# Altium PCB HDMI_To_MIPI.PcbDoc (part 1 of 2)
Units mm, origin at the board's own origin, x right, y up, seen from the top; angles counter-clockwise.
Board outline 144 x 71 mm, 2 copper layers (Top1, Bottom2), stack 1.071 mm thick; 56 components, 61 nets, 363 pads, 170 vias.
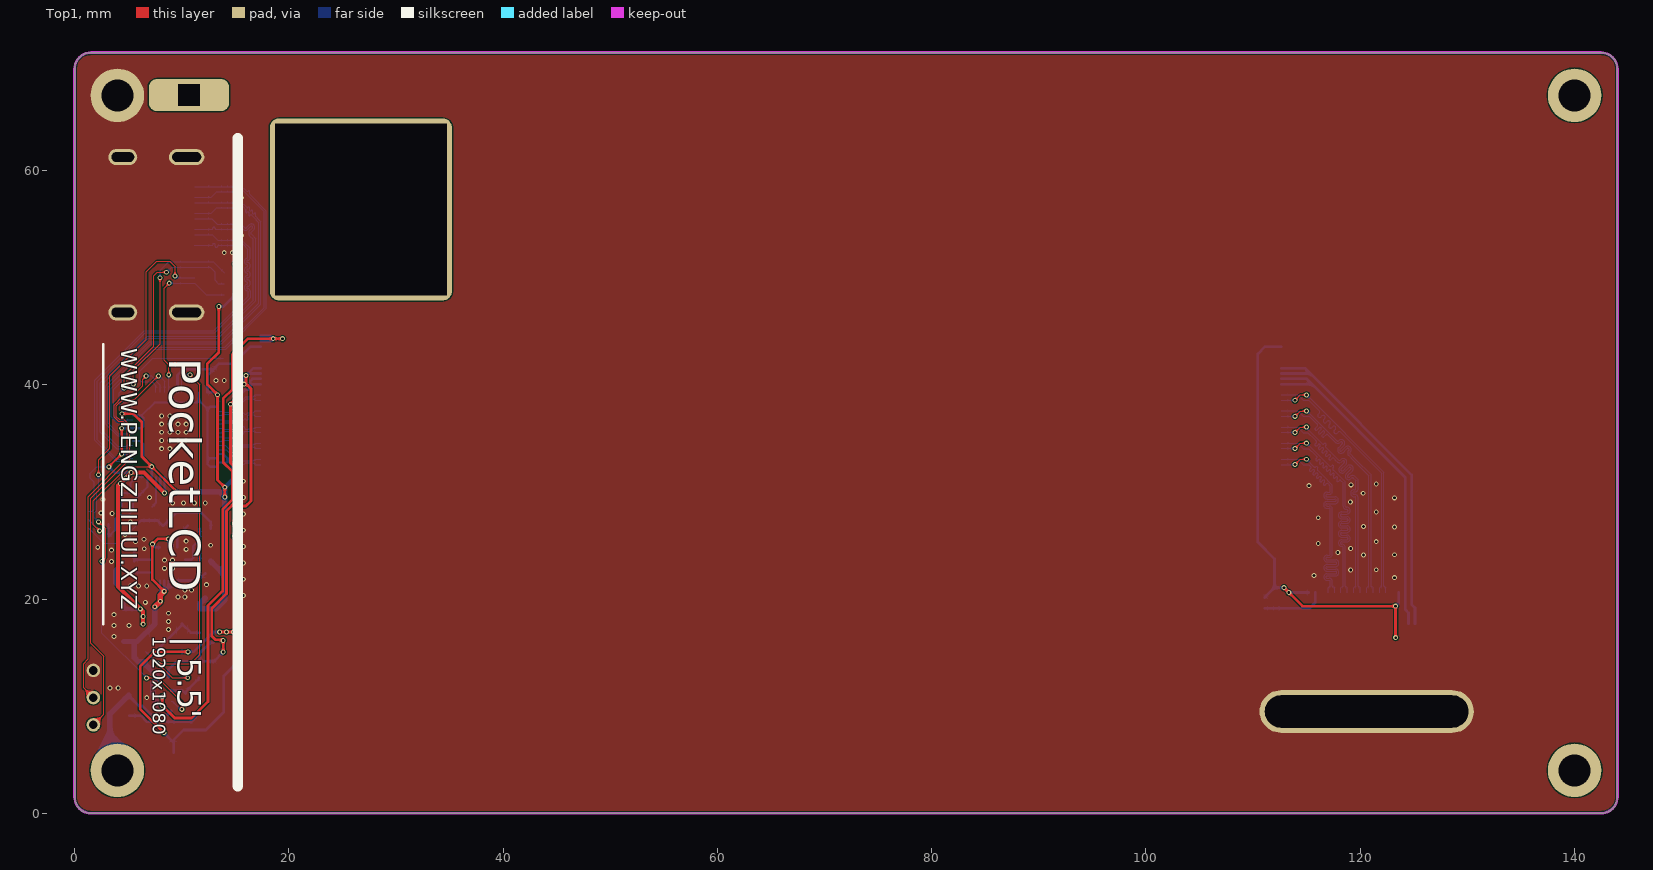
[diagram p0: Top1 view]
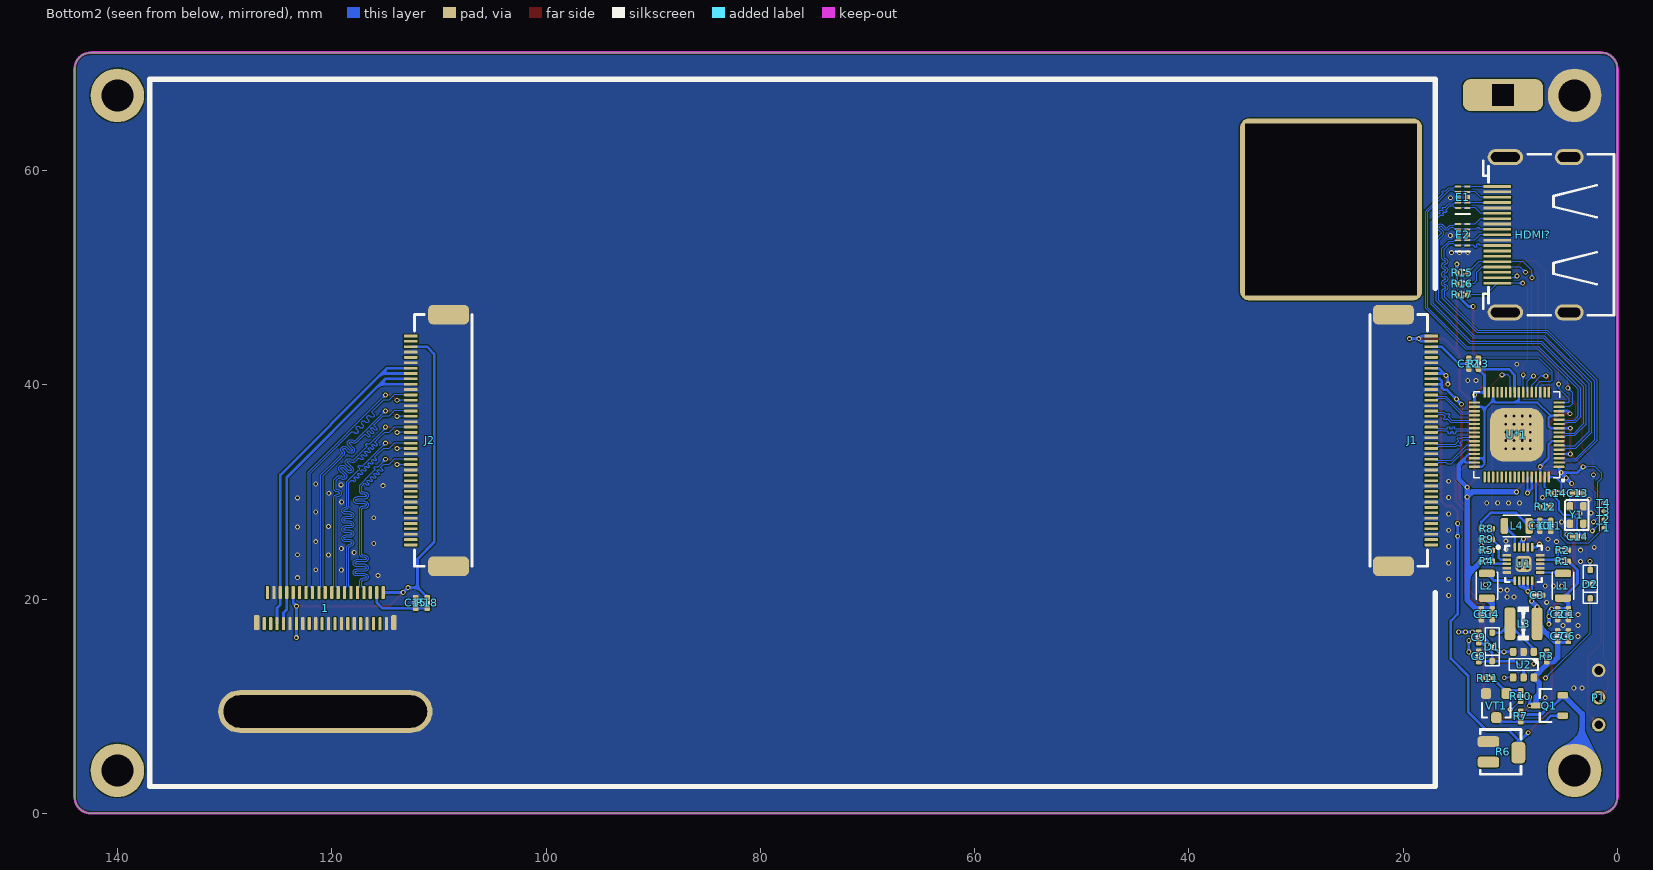
[diagram p1: Bottom2 view, seen from below]
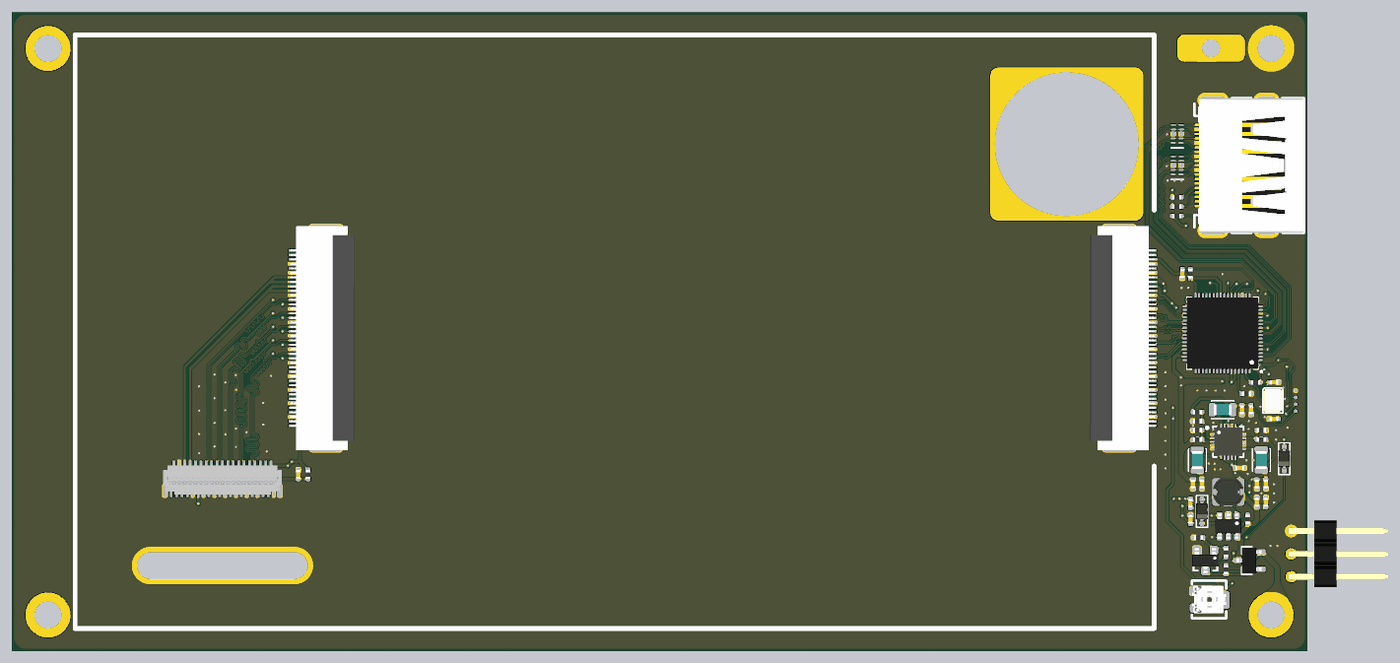
[diagram p3: 3D render of the assembled board from below, using the file's embedded part models]

## Layer stack, top to bottom
Top Solder: solder mask 0.0102, Solder Resist, Dk 3.5
Top1: signal copper 0.0356
Dielectric1: core 1, FR-4, Dk 4.2
Bottom2: signal copper 0.0356
Bottom Solder: solder mask 0.0102, Solder Resist, Dk 3.5

## Board outline
0,1.524 0,69.476 cw(c1.524,69.476) 1.524,71 142.476,71 cw(c142.476,69.476) 144,69.476 144,1.524 cw(c142.476,1.524) 142.476,0 1.524,0 cw(c1.524,1.524)

## Design rules (kind name [scope] priority, off if disabled: settings)
Clearance [All] p1: gap=0.102 ignorepadtopadclearanceinfootprint=FALSE except(0: Arc-Hole Track-Hole SMDPad-Hole THPad-Hole Via-Hole Fill-Hole Poly-Hole Region-Hole Text-Hole)
ComponentClearance [All] p1: gap=0 collisioncheckmode=3 verticalgap=0 showdistances=FALSE
DiffPairsRouting [All] p1: maxlimit=2.54 minlimit=0.102 mostfreqgap=0.102 toplayer_minwidth=0.102 toplayer_maxwidth=0.381 toplayer_prefwidth=0.102 bottomlayer_minwidth=0.102 bottomlayer_maxwidth=0.381 bottomlayer_prefwidth=0.102 maxuncoupledlength=12.7
FanoutControl Fanout_BGA [All] p1: bgadir=Out bgaviamode=Centered fanoutstyle=Auto fanoutdirection=Alternating viagrid=0.025 // Fanout_BGA (Default Rule)
HoleSize [All] p1: absolutevalues=TRUE maxlimit=254 minlimit=0.203 maxpercent=80.000 minpercent=20.000
MinimumSolderMaskSliver [All] p1 off: minsoldermaskwidth=0.051
PlaneClearance [All] p1: clearance=0.203
PlaneConnect [All] p1: planeconnectstyle=Direct reliefexpansion=0.508 reliefentries=4 reliefconductorwidth=0.254 reliefairgap=0.254
PolygonConnect [All] p1: connectstyle=Direct reliefconductorwidth=0.254 reliefentries=4 polygonreliefangle="90 Angle" airgapwidth=0.254
RoutingVias [All] p1: holewidth=0.203 width=0.406 viastyle="Through Hole" minholewidth=0.152 minwidth=0.305 maxholewidth=0.711 maxwidth=1.27
SilkToSilkClearance [All] p1: silktosilkclearance=0
SilkToSolderMaskClearance [IsPad] p1: minsilkscreentomaskgap=0 clearancetoexposedcopper=TRUE
SolderMaskExpansion [All] p1: expansion=0.076 istentingtop=FALSE
Width GND [(InNet('AGND') OR InNet('GND'))] p1: maxlimit=1.27 minlimit=0.102 preferedwidth=0.254
Width VCC [(InNet('VDD_SYS_3.3V') OR InNet('VDD_AV_3.3V') OR InNet('VDD_5V') OR InNet('VDD1V2-SYS') OR InNet('VDD1V1-EPHY') OR InNet('VDD-CPUX') OR InNet('NetC15_2') OR InNet('NetC9_2') OR InNet('NetC12_2'))] p2: maxlimit=1.27 minlimit=0.102 preferedwidth=0.254
Width [All] p3: maxlimit=254 minlimit=0.102 preferedwidth=0.102
21 further rules are at their usual default settings.

## Classes and differential pairs
component class U_Connector: 1 C15 D2 E1 E2 HDMI? J1 J2 R15 R16 R17 R18
component class LT6911C: C12 C13 C14 R12 R13 R14 U*1 Y1
component class Main: C1 C2 C3 C4 C5 C6 C7 C8 C9 C10 C11 D1 L1 L2 L3 L4 P1 Q1 R1 R2 R3 R4 R5 R6 R7 R8 R9 R10 R11 T1 T2 T3 T4 U1 U2 VT1
differential pair FPC_MIPI1_DC: +FPC_MIPI1_DC_P -FPC_MIPI1_DC_N
differential pair FPC_MIPI1_D3: +FPC_MIPI1_D3_P -FPC_MIPI1_D3_N
differential pair FPC_MIPI1_D2: +FPC_MIPI1_D2_P -FPC_MIPI1_D2_N
differential pair FPC_MIPI1_D1: +FPC_MIPI1_D1_P -FPC_MIPI1_D1_N
differential pair FPC_MIPI1_D0: +FPC_MIPI1_D0_P -FPC_MIPI1_D0_N
differential pair MIPI1_DC: +MIPI1_DC_P -MIPI1_DC_N
differential pair MIPI1_D3: +MIPI1_D3_P -MIPI1_D3_N
differential pair MIPI1_D2: +MIPI1_D2_P -MIPI1_D2_N
differential pair MIPI1_D1: +MIPI1_D1_P -MIPI1_D1_N
differential pair MIPI1_D0: +MIPI1_D0_P -MIPI1_D0_N
differential pair HDMID2: +HDMID2_P -HDMID2_N
differential pair HDMID1: +HDMID1_P -HDMID1_N
differential pair HDMID0: +HDMID0_P -HDMID0_N
differential pair HDMIC: +HDMIC_P -HDMIC_N

## Components (designator, comment, footprint, x,y, rotation, side; value= is the part's Value field where it differs from the comment)
1 "FH26-39S-0.3SHW" FH26-39S-0.3SHW 120.6,20.6 r180 bottom locked
C1 "10uF" CAP_0402 4.572,18.574 r270 bottom value=0.1u
C2 "0.1uF" CAP_0402 5.588,18.574 r270 bottom value=0.1u
C3 "10uF" CAP_0402 7.493,20.352 r0 bottom value=0.1u
C4 "10uF" CAP_0402 11.684,18.574 r270 bottom value=0.1u
C5 "0.1uF" CAP_0402 12.7,18.574 r270 bottom value=0.1u
C6 "10uF" CAP_0402 4.572,16.542 r270 bottom value=0.1u
C7 "0.1uF" CAP_0402 5.588,16.542 r270 bottom value=0.1u
C8 "10uF" CAP_0402 12.954,14.637 r270 bottom value=0.1u
C9 "0.1uF" CAP_0402 12.954,16.415 r270 bottom value=0.1u
C10 "10uF" CAP_0402 7.239,26.829 r270 bottom value=0.1u
C11 "0.1uF" CAP_0402 6.223,26.829 r270 bottom value=0.1u
C12 "10uF" CAP_0402 13.868,41.961 r90 bottom value=0.1u
C13 "18pF" CAP_0402 3.683,29.877 r0 bottom value=0.1u
C14 "18pF" CAP_0402 3.683,25.813 r180 bottom value=0.1u
C15 "10uF" CAP_0402 112.166,19.634 r270 bottom value=0.1u
D1 "二极管-5B5817WS" SOD-323 11.684,15.526 r270 bottom
D2 "二极管-5B5817WS" SOD-323 2.54,21.387 r270 bottom
E1 "E?" DFN-2510 14.437,57.5 r90 bottom
E2 "E?" DFN-2510 14.437,54 r90 bottom
HDMI? "HDMI-SWM-19" HDMI-SWM-19 5.66,54 r270 bottom
J1 "0.5S_A_40PWB" FFC_0.5_40 18.898,34.798 r270 bottom locked
J2 "0.5S_A_40PWB" FFC_0.5_40 111.1,34.798 r90 bottom locked
L1 "2.2uH" 2520-L 5.08,21.241 r270 bottom
L2 "2.2uH" 2520-L 12.192,21.234 r270 bottom
L3 "CD32" IND_CD32 8.763,17.685 r0 bottom value=22uH
L4 "2.2uH" 2520-L 9.398,26.829 r180 bottom
P1 "HDR1x3_2.54" HDR1X3_2.54_90 1.753,13.335 r180 bottom
Q1 "AO3415A" SOT23-3 6.35,10.057 r0 bottom
R1 "100K" RES_0402 5.08,23.527 r180 bottom value=22R
R2 "100K" RES_0402 5.08,24.543 r0 bottom value=22R
R3 "33K" RES_0402 6.604,14.637 r270 bottom value=22R
R4 "510K" RES_0402 12.192,23.527 r0 bottom value=22R
R5 "110K" RES_0402 12.192,24.543 r180 bottom value=22R
R6 "电位器-贴片" "贴片电位器 3*3" 10.262,5.537 r180 bottom
R7 "10K" RES_0402 9.017,9.041 r90 bottom value=22R
R8 "200K" RES_0402 12.192,26.575 r0 bottom value=22R
R9 "100K" RES_0402 12.192,25.559 r180 bottom value=22R
R10 "1K" RES_0402 9.017,10.946 r270 bottom value=22R
R11 "10K" RES_0402 12.09,12.624 r0 bottom value=22R
R12 "7.68K" RES_0402 6.731,28.607 r0 bottom value=22R
R13 "10K" RES_0402 12.979,41.961 r270 bottom value=22R
R14 "1M" RES_0402 5.715,29.877 r0 bottom value=22R
R15 "47K" RES_0402 14.478,50.47 r0 bottom value=22R
R16 "47K" RES_0402 14.478,49.428 r0 bottom value=22R
R17 "2.2K" RES_0402 14.478,48.387 r180 bottom value=22R
R18 "10K" RES_0402 111.074,19.634 r90 bottom value=22R
T1 "测试点" TEST_PT 1.27,26.67 r270 bottom
T2 "测试点" TEST_PT 1.27,27.432 r270 bottom
T3 "测试点" TEST_PT 1.27,28.194 r270 bottom
T4 "测试点" TEST_PT 1.27,28.956 r270 bottom
U1 "EA3036" QFN-20 8.763,23.273 r180 bottom
U2 "RT9293" SOT23-6 8.763,13.875 r270 bottom
U*1 "LT6911C" QFN-64-0.4MM 9.398,35.338 r0 bottom locked
VT1 "S8050" SMT_TRIODE_NPN 11.303,10.057 r0 bottom
Y1 "27MHz" 晶振2520 3.81,27.845 r270 bottom

## Footprints (in the part's own frame and the unit in brackets; to place one, negate y for a bottom-side part, rotate by r counter-clockwise, add the part's x,y. Pads: shape width x height; smd on the part's side, far side on the other; paste and mask are expansions set on the pad)
2520-L [mm]
  rrect50% 0.7x1.5 smd: 1(-1.15,0) 2(1.15,0)
  silkscreen extent -1.25,-1 1.25,1, body extent -1,-0.6 1,0.6, height 0.92
CAP_0402 [mil]
  rrect50% 20x20 smd: 1(-20,0) 2(20,0)
  silkscreen extent -7,-9 7,9, body extent -20,-10 20,10, height 20
DFN-2510 [mm]
  rrect50% 0.2x0.525 smd: 1(-1,-0.437) 2(-0.5,-0.437) 4(0.5,-0.437) 5(1,-0.437) 6(1,0.437) 7(0.5,0.437) 9(-0.5,0.437) 10(-1,0.437)
  rrect50% 0.4x0.525 smd: 3(0,-0.437) 8(0,0.437)
  silkscreen extent -1.57,-0.69 -1.57,0.69
FFC_0.5_40 [mil]
  rrect50% 72x150 smd: 0(-462.48,-78.98) 0(462.48,-78.98)
  rrect50% 10x50 smd: 1(-383.86,60) 2(-364.17,60) 3(-344.49,60) 4(-324.8,60) 5(-305.12,60) 6(-285.43,60) 7(-265.75,60) 8(-246.06,60) 9(-226.38,60) 10(-206.69,60) 11(-187.01,60) 12(-167.32,60) 13(-147.64,60) 14(-127.95,60) 15(-108.27,60) 16(-88.58,60) 17(-68.9,60) 18(-49.21,60) 19(-29.53,60) 20(-9.84,60) 21(9.84,60) 22(29.53,60) 23(49.21,60) 24(68.9,60) 25(88.58,60) 26(108.27,60) 27(127.95,60) 28(147.64,60) 29(167.32,60) 30(187.01,60) 31(206.69,60) 32(226.38,60) 33(246.06,60) 34(265.75,60) 35(285.43,60) 36(305.12,60) 37(324.8,60) 38(344.49,60) 39(364.17,60) 40(383.86,60)
  silkscreen extent -462,-165 462,46, body extent -490,-205 490,78, height 99
FH26-39S-0.3SHW [mm]
  rrect50% 0.3x1.2 smd: 1(5.7,-2.9) 2(5.4,0) 3(5.1,-2.9) 4(4.8,0) 5(4.5,-2.9) 6(4.2,0) 7(3.9,-2.9) 8(3.6,0) 9(3.3,-2.9) 10(3,0) 11(2.7,-2.9) 12(2.4,0) 13(2.1,-2.9) 14(1.8,0) 15(1.5,-2.9) 16(1.2,0) 17(0.9,-2.9) 18(0.6,0) 19(0.3,-2.9) 20(0,0) 21(-0.3,-2.9) 22(-0.6,0) 23(-0.9,-2.9) 24(-1.2,0) 25(-1.5,-2.9) 26(-1.8,0) 27(-2.1,-2.9) 28(-2.4,0) 29(-2.7,-2.9) 30(-3,0) 31(-3.3,-2.9) 32(-3.6,0) 33(-3.9,-2.9) 34(-4.2,0) 35(-4.5,-2.9) 36(-4.8,0) 37(-5.1,-2.9) 38(-5.4,0) 39(-5.7,-2.9)
  rrect50% 0.5x1.4 smd: GND1(6.4,-2.8) GND2(-6.4,-2.8)
  body extent -6.6,-3.23 6.6,0.27, height 0.98
HDMI-SWM-19 [mm] "HDMI-SWM-19"
  rrect50% 0.254x2.6 smd: 1(-4.5,-5.55) 2(-4,-5.55) 3(-3.5,-5.55) 4(-3,-5.55) 5(-2.5,-5.55) 6(-2,-5.55) 7(-1.5,-5.55) 8(-1,-5.55) 9(-0.5,-5.55) 10(0,-5.55) 11(0.508,-5.55) 12(1.016,-5.55) 13(1.524,-5.55) 14(2.007,-5.55) 15(2.515,-5.55) 16(3.023,-5.55) 17(3.505,-5.55) 18(4.013,-5.55) 19(4.521,-5.55)
  oval 1.5x2.7 hole 2.1 slot 0.9 at 0 deg: SH1(-7.25,1.16) SH2(7.25,1.16)
  oval 1.5x3.3 hole 2.7 slot 0.9 at 0 deg: SH3(-7.25,-4.8) SH4(7.25,-4.8)
  silkscreen extent -7.5,-6.86 7.52,5.33, body extent -7.5,-6.78 7.5,5.22, height 6.14
HDR1X3_2.54_90 [mil]
  round 50 hole 32: 1(0,0) 2(0,-100) 3(0,-200)
  body extent -15,-246 424,46, height 99
IND_CD32 [mil]
  rrect50% 40x120 smd: 1(-50,0) 2(50,0)
  silkscreen extent -20,-60 20,60, body extent -68,-59 68,59, height 83
QFN-20 [mm] "QFN, 20-Leads, Body 3.00x3.00mm, Pitch 0.40mm, Thermal Pad 1.65x1.65mm, IPC Medium Density"
  rrect50% 0.8x0.24 smd: 1(-1.55,0.8) 2(-1.55,0.4) 3(-1.55,0) 4(-1.55,-0.4) 5(-1.55,-0.8) 11(1.55,-0.8) 12(1.55,-0.4) 13(1.55,0) 14(1.55,0.4) 15(1.55,0.8)
  rrect50% 0.24x0.8 smd: 6(-0.8,-1.55) 7(-0.4,-1.55) 8(0,-1.55) 9(0.4,-1.55) 10(0.8,-1.55) 16(0.8,1.55) 17(0.4,1.55) 18(0,1.55) 19(-0.4,1.55) 20(-0.8,1.55)
  rrect50% 1.5x1.5 smd: 21(0,0)
  silkscreen extent -2.48,-1.7 1.7,1.7, body extent -1.56,-1.56 1.56,1.56, height 0.8
QFN-64-0.4MM [mm]
  rrect50% 1x0.22 smd: 1(-3.95,3) 2(-3.95,2.6) 3(-3.95,2.2) 4(-3.95,1.8) 5(-3.95,1.4) 6(-3.95,1) 7(-3.95,0.6) 8(-3.95,0.2) 9(-3.95,-0.2) 10(-3.95,-0.6) 11(-3.95,-1) 12(-3.95,-1.4) 13(-3.95,-1.8) 14(-3.95,-2.2) 15(-3.95,-2.6) 16(-3.95,-3) 33(3.95,-3) 34(3.95,-2.6) 35(3.95,-2.2) 36(3.95,-1.8) 37(3.95,-1.4) 38(3.95,-1) 39(3.95,-0.6) 40(3.95,-0.2) 41(3.95,0.2) 42(3.95,0.6) 43(3.95,1) 44(3.95,1.4) 45(3.95,1.8) 46(3.95,2.2) 47(3.95,2.6) 48(3.95,3)
  rrect50% 0.22x1 smd: 17(-3,-3.95) 18(-2.6,-3.95) 19(-2.2,-3.95) 20(-1.8,-3.95) 21(-1.4,-3.95) 22(-1,-3.95) 23(-0.6,-3.95) 24(-0.2,-3.95) 25(0.2,-3.95) 26(0.6,-3.95) 27(1,-3.95) 28(1.4,-3.95) 29(1.8,-3.95) 30(2.2,-3.95) 31(2.6,-3.95) 32(3,-3.95) 49(3,3.95) 50(2.6,3.95) 51(2.2,3.95) 52(1.8,3.95) 53(1.4,3.95) 54(1,3.95) 55(0.6,3.95) 56(0.2,3.95) 57(-0.2,3.95) 58(-0.6,3.95) 59(-1,3.95) 60(-1.4,3.95) 61(-1.8,3.95) 62(-2.2,3.95) 63(-2.6,3.95) 64(-3,3.95)
  rrect50% 5x5 smd paste-4: 65(0,0)
  silkscreen extent -4.42,-4 4,4.37, body extent -4,-4 4,4, height 0.81
RES_0402 [mil]
  rrect50% 20x20 smd: 1(-20,0) 2(20,0)
  silkscreen extent -7,-10 7,10, body extent -20,-10 20,10, height 14
SMT_TRIODE_NPN [mm] "Surface mount NPN transistor, package SOT-23"
  rrect50% 0.95x1 smd: 1(-0.95,-1.125) 2(0.95,-1.125) 3(0,1.125)
  silkscreen extent -1.33,-0.22 1.32,1.13, body extent -1.45,-1.4 1.45,1.4, height 1.3
SOD-323 [mm]
  rrect50% 0.6x0.5 smd: 1(-1.329,0) 2(1.329,0)
  silkscreen extent -1.78,-0.64 1.78,0.64, body extent -1.3,-0.68 1.3,0.67, height 1.15
SOT23-3 [mm] "SOT23, 3-Leads, Body 3.1x3.0mm (max), Pitch 0.95mm, IPC Medium Density"
  rrect50% 1x0.6 smd: 1(-1.246,0.95) 2(-1.246,-0.95) 3(1.246,0)
  silkscreen extent -0.2,-1.55 0.9,1.55, body extent -1.3,-1.45 1.5,1.45, height 1.2
SOT23-6 [mil]
  rrect50% 30x24 smd: 1(-47,38) 2(-47,0) 3(-47,-38) 4(47,-38) 5(47,0) 6(47,38)
  silkscreen extent -21,-53 21,53, body extent -55,-57 55,57, height 57
TEST_PT [mil]
  rrect100% 16x16 smd: 0(0,0.01)
晶振2520 [mm]
  rrect50% 0.8x0.6 smd: 1(-0.81,-0.625) 2(0.81,-0.625) 3(0.81,0.625) 4(-0.81,0.625)
  silkscreen extent -1.4,-1.1 1.4,1.1, body extent -1.3,-1.05 1.3,1.05, height 0.55
"贴片电位器 3*3" [mil]
  rrect50% 78.74x40.18 smd: 1(-70,45) 2(-70,-30)
  rrect50% 50.74x78.74 smd: 3(40,5)
  silkscreen extent -100,-75 50,90, body extent -100,-53 50,69, height 64

## Part data
1: "39 Position FPC Connector Contacts, Bottom 0.012 _0.30mm_ Surface Mount, Right Angle", Package=None, Availability=Unavailable, MF=Hirose, MP=FH26-39S-0.3SHW, Price=None, SnapEDA_Link=https://www.snapeda.com/parts/FH26-39S-0.3SHW/Hirose/view-part/44187/?ref=snap
C1 C2 C3 C4 C5 C6 C7 C8 C9 C10 C11 C12 C13 C14 C15: library part 电容-0402, "Capacitor"
D1 D2: "40V"
E1 E2: library part AZ1045-04F
HDMI?: library part HDMI-MC34931HDMI-SWM-19
J1 J2: library part FPC40-0.5mm, "Header, 40-Pin", LatestRevisionDate=17-Jul-2002, LatestRevisionNote="Re-released for DXP Platform.", Publisher="Altium Limited"
L1 L2 L4: library part 电感-2520, "磁珠"
L3: library part Ind_CD32, "Inductor", Specification="±5% 100mA", Type=CD32
P1: library part HDR1x3_2.54T, "Header"
Q1: "MOSFET", LatestRevisionDate=17-Jul-2002, LatestRevisionNote="Re-released for DXP Platform.", PackageDescription="TO, Flat Index; 3 In-Line, Axial Leads; Body Dia. 4.6mm; Lead Dia. 0.5 mm (max)", PackageReference=E3, PackageVersion=1995/1996, Published=8-Jun-2000, Publisher="Altium Limited"
R1 R2 R3 R4 R5 R7 R8 R9 R10 R11 R12 R13 R14 R15 R16 R17 R18: library part 电阻-0402, "Resistor"
U1: "EA3036 is a 3CH power management IC for applications powered by one Li-Ion battery or a DC 5V adapter."
U2: "LCD-LED Driver"
U*1: "HDMI to MIPI PHY"
VT1: library part SMT_TRIODE_NPN, "Surface mount NPN transistor, package SOT-23"
Y1: library part 晶振-4Pin-无源, "2520无源", Package="SMD-6 ECS International", Availability=Unavailable, MF="ECS International", MP=ECS-3225S30-240-EN-TR, Price="0.75 USD"
R6: ComponentLink1Description="Manufacturer Link", ComponentLink1URL=http://bourns.com/2/search.html, DatasheetVersion=Oct-2003, PackageDescription="Square Trimming Potentiometer", PackageReference=POT4MM-2, Published=17-Dec-2003, Publisher="Altium Limited"

## Free pads (board coordinates)
  round 5 hole 3: ""(4,4) ""(4,67) ""(140,4) ""(140,67)
  rrect50% 7.5x3 hole 2 square: ""(10.678,67.035)
  rrect10% 17x17 hole 16 square: ""(26.721,56.363)
  oval 20x4 hole 3 slot 19 at 0 deg: ""(120.6,9.5)

## Via types
v1: diameter 0.457, hole 0.254, Top1 to Bottom2, tented both sides, 170 vias

## Nets (pads, with @x,y where several pads share a name; then routed paths per layer and width w, separated by ;. In a path a pad name is that pad's centre, name@x,y a point inside that pad or via, vN(x,y) a via of type N, cw(c..) or ccw(c..) an arc to the next point about the centre after c; other vN are vias at no path point)
27M_CLK_IN: C13.2 R14.1 U*1.64 Y1.1 | length 4.7
  Bottom2 w0.178: Y1.1@4.435,28.655 4.435,29.633 C13.2@4.191,29.877 R14.1@5.207,29.877 5.207,30.785 5.81,31.388 U*1.64@6.398,31.388
27M_CLK_OUT: C14.2 R14.2 U*1.63 Y1.3 | length 8.8
  Bottom2 w0.178: Y1.3@3.175,27.025 C14.2@3.175,25.813 3.759,26.397 3.759,27.457 4.14,27.838 5.004,27.838 5.436,28.27 5.436,29.09 R14.2@6.223,29.877 6.798,30.452 U*1.63@6.798,31.388
EN_PHY: D2.2 R10.2 | length 15.4
  Top1 w0.102: v1(6.718,12.636) 7.76,12.636 10.008,10.389 v1(10.008,9.703)
  Bottom2 w0.102: D2.2@2.54,20.057 2.54,16.815 v1(6.718,12.636) ; R10.2@9.017,10.438 9.139,10.438 9.874,9.703 v1(10.008,9.703)
FPC_MIPI1_D0_N: 1.26 J2.28 | length 24.1
  Top1 w0.102: v1(113.908,38.548) 114.406,39.045 v1(114.986,39.045)
  Bottom2 w0.102: J2.28@112.624,38.548 v1(113.908,38.548) ; v1(114.986,39.045) 114.988,39.045 122.202,31.832 122.202,21.209 122.276,21.134 122.303,21.134 122.4,21.037 1.26@122.4,20.6
FPC_MIPI1_D0_P: 1.24 J2.29 | length 26.2
  Bottom2 w0.102: J2.29@112.624,39.048 114.156,39.048 114.656,38.548 115.198,38.548 115.875,37.871 116.162,37.584 cw(c116.036,37.458) 116.162,37.333 116.083,37.253 ccw(c116.209,37.128) 116.083,37.002 ccw(c116.209,37.128) 116.334,37.002 116.414,37.081 cw(c116.539,36.955) 116.665,37.081 cw(c116.539,36.955) 116.665,36.83 116.586,36.75 ccw(c116.712,36.625) 116.586,36.499 ccw(c116.712,36.625) 116.837,36.499 116.917,36.578 cw(c117.042,36.453) 117.168,36.578 cw(c117.042,36.453) 117.168,36.327 117.089,36.248 ccw(c117.214,36.122) 117.089,35.996 ccw(c117.214,36.122) 117.34,35.996 117.419,36.075 cw(c117.545,35.95) 117.671,36.075 cw(c117.545,35.95) 117.671,35.824 117.592,35.745 ccw(c117.717,35.619) 117.592,35.493 ccw(c117.717,35.619) 117.843,35.493 117.922,35.572 cw(c118.048,35.447) 118.174,35.572 118.778,34.968 121.998,31.748 121.998,21.209 121.924,21.134 121.897,21.134 121.8,21.037 1.24@121.8,20.6
FPC_MIPI1_D1_N: 1.22 J2.25 | length 24.1
  Top1 w0.102: v1(113.908,37.048) 114.406,37.545 v1(114.986,37.545)
  Bottom2 w0.102: J2.25@112.624,37.048 v1(113.908,37.048) ; v1(114.986,37.545) 115.045,37.545 117.717,34.873 117.825,34.766 ; 117.825,34.766 ccw(c117.906,34.846) 117.987,34.766 ; 117.987,34.766 118.004,34.783 cw(c118.229,34.559) 118.454,34.784 cw(c118.229,34.559) 118.484,34.369 118.484,34.364 118.113,33.994 ; 118.112,33.832 cw(c118.193,33.912) 118.112,33.993 ; 118.113,33.831 ccw(c118.193,33.912) 118.274,33.832 118.615,34.172 cw(c118.84,33.948) 119.064,34.173 cw(c118.84,33.948) 119.094,33.758 119.094,33.754 119.047,33.707 ccw(c119.127,33.625) 119.047,33.544 119.444,33.147 ; 119.444,33.146 119.552,33.039 121.002,31.589 121.002,21.209 121.076,21.134 121.103,21.134 121.2,21.037 1.22@121.2,20.6
FPC_MIPI1_D1_P: 1.20 J2.26 | length 26.1
  Bottom2 w0.102: J2.26@112.624,37.548 114.156,37.548 114.656,37.048 115.255,37.048 115.804,36.499 116.002,36.301 cw(c115.921,36.221) 116.002,36.14 115.804,35.942 ccw(c115.885,35.861) 115.804,35.781 ccw(c115.885,35.861) 115.966,35.781 116.164,35.978 cw(c116.244,35.897) 116.325,35.978 cw(c116.244,35.897) 116.325,35.816 116.128,35.619 ccw(c116.208,35.538) 116.128,35.457 ccw(c116.208,35.538) 116.289,35.457 116.487,35.655 cw(c116.568,35.574) 116.648,35.655 cw(c116.568,35.574) 116.648,35.493 116.451,35.296 ccw(c116.532,35.215) 116.451,35.134 ccw(c116.532,35.215) 116.613,35.134 116.81,35.332 cw(c116.891,35.251) 116.972,35.332 117.372,34.931 117.574,34.73 117.681,34.623 ; 117.682,34.622 ccw(c117.906,34.846) 118.131,34.622 118.148,34.639 ; 117.969,34.137 ccw(c118.193,33.912) 118.383,33.658 118.388,33.658 118.758,34.029 ; 117.969,34.138 118.309,34.477 ; 118.148,34.64 cw(c118.229,34.559) 118.31,34.64 cw(c118.229,34.559) 118.31,34.478 ; 118.759,34.029 cw(c118.84,33.948) 118.92,34.03 ; 118.92,33.867 118.903,33.85 ccw(c119.127,33.625) 118.903,33.4 119.3,33.003 ; 118.92,33.867 ccw(c118.84,33.948) 118.921,34.029 ; 119.301,33.003 119.408,32.895 120.798,31.505 120.798,21.209 120.724,21.134 120.697,21.134 120.6,21.037 1.20@120.6,20.6
FPC_MIPI1_D2_N: 1.14 J2.19 | length 24.1
  Top1 w0.102: v1(113.908,34.048) 114.406,34.545 v1(114.986,34.545)
  Bottom2 w0.102: J2.19@112.624,34.048 v1(113.908,34.048) ; v1(114.986,34.545) 117.094,32.437 117.13,32.401 ccw(c117.211,32.482) 117.292,32.401 117.328,32.437 cw(c117.408,32.356) 117.489,32.437 cw(c117.408,32.356) 117.489,32.275 117.453,32.24 ccw(c117.534,32.159) 117.453,32.078 117.608,31.923 118.602,30.93 118.602,29.21 118.602,28.677 ccw(c118.716,28.677) 118.716,28.562 118.741,28.562 cw(c118.741,28.245) 118.741,27.927 118.259,27.927 ccw(c118.259,27.813) 118.259,27.699 118.741,27.699 cw(c118.741,27.381) 118.741,27.064 118.259,27.064 ccw(c118.259,26.949) 118.259,26.835 118.741,26.835 cw(c118.741,26.518) 118.741,26.2 118.259,26.2 ccw(c118.259,26.086) 118.259,25.972 118.741,25.972 cw(c118.741,25.654) 118.741,25.337 118.259,25.337 ccw(c118.259,25.222) 118.259,25.108 118.284,25.108 cw(c118.284,24.79) 118.602,24.79 118.602,24.638 118.602,21.209 118.676,21.134 118.703,21.134 118.8,21.037 1.14@118.8,20.6
FPC_MIPI1_D2_P: 1.12 J2.20 | length 26.2
  Bottom2 w0.102: J2.20@112.624,34.548 114.156,34.548 114.663,34.041 115.203,34.041 115.732,33.512 115.929,33.314 cw(c115.849,33.234) 115.929,33.153 115.876,33.099 ccw(c115.956,33.018) 115.876,32.937 ccw(c115.956,33.018) 116.037,32.937 116.091,32.991 cw(c116.172,32.91) 116.253,32.991 cw(c116.172,32.91) 116.253,32.83 116.199,32.776 ccw(c116.28,32.695) 116.199,32.614 ccw(c116.28,32.695) 116.36,32.614 116.414,32.668 cw(c116.495,32.587) 116.576,32.668 cw(c116.495,32.587) 116.576,32.506 116.522,32.452 ccw(c116.603,32.372) 116.522,32.291 ccw(c116.603,32.372) 116.684,32.291 116.738,32.345 cw(c116.818,32.264) 116.899,32.345 cw(c116.818,32.264) 116.899,32.183 116.845,32.129 ccw(c116.926,32.048) 116.845,31.967 ccw(c116.926,32.048) 117.007,31.967 117.061,32.021 cw(c117.142,31.94) 117.223,32.021 cw(c117.142,31.94) 117.223,31.86 117.169,31.806 ccw(c117.249,31.725) 117.169,31.644 ccw(c117.249,31.725) 117.33,31.644 117.384,31.698 cw(c117.465,31.617) 117.546,31.698 cw(c117.465,31.617) 117.546,31.536 117.492,31.482 ccw(c117.573,31.402) 117.492,31.321 ccw(c117.573,31.402) 117.654,31.321 117.707,31.375 cw(c117.788,31.294) 117.869,31.375 cw(c117.788,31.294) 117.869,31.213 117.815,31.159 ccw(c117.896,31.078) 117.815,30.998 ccw(c117.896,31.078) 117.977,30.998 118.031,31.051 cw(c118.112,30.971) 118.192,31.051 118.347,30.897 118.398,30.845 118.398,29.21 118.398,28.677 ccw(c118.716,28.677) 118.716,28.359 118.741,28.359 cw(c118.741,28.245) 118.741,28.131 118.259,28.131 ccw(c118.259,27.813) 118.259,27.496 118.741,27.496 cw(c118.741,27.381) 118.741,27.267 118.259,27.267 ccw(c118.259,26.949) 118.259,26.632 118.741,26.632 cw(c118.741,26.518) 118.741,26.403 118.259,26.403 ccw(c118.259,26.086) 118.259,25.768 118.741,25.768 cw(c118.741,25.654) 118.741,25.54 118.259,25.54 ccw(c118.259,25.222) 118.259,24.905 118.284,24.905 cw(c118.284,24.79) 118.398,24.79 118.398,24.638 118.398,21.209 118.324,21.134 118.297,21.134 118.2,21.037 1.12@118.2,20.6
FPC_MIPI1_D3_N: 1.10 J2.16 | length 24.2
  Top1 w0.102: v1(113.908,32.548) 114.406,33.045 v1(114.986,33.045)
  Bottom2 w0.102: J2.16@112.624,32.548 v1(113.908,32.548) ; v1(114.986,33.045) 115.672,32.36 115.708,32.324 ccw(c115.779,32.396) 115.851,32.324 115.858,32.331 cw(c115.923,32.266) 115.988,32.331 116.02,32.299 cw(c115.955,32.234) 116.02,32.169 116.013,32.162 ccw(c116.085,32.09) 116.013,32.018 116.429,31.602 117.402,30.63 117.402,30.617 117.402,30.082 cw(c117.084,30.082) 117.084,29.764 116.902,29.764 ccw(c116.902,29.65) 116.902,29.536 117.639,29.536 cw(c117.639,29.218) 117.639,28.901 116.902,28.901 ccw(c116.902,28.787) 116.902,28.672 117.084,28.672 cw(c117.084,28.355) 117.402,28.355 117.402,28.202 117.402,24.706 117.402,24.206 cw(c117.084,24.206) 117.084,23.889 116.906,23.889 ccw(c116.906,23.774) 116.906,23.66 117.694,23.66 cw(c117.694,23.343) 117.694,23.025 116.906,23.025 ccw(c116.906,22.911) 116.906,22.797 117.694,22.797 cw(c117.694,22.479) 117.694,22.162 116.906,22.162 ccw(c116.906,22.047) 116.906,21.933 117.084,21.933 cw(c117.084,21.615) 117.402,21.615 117.402,21.463 117.402,21.209 117.476,21.134 117.503,21.134 117.6,21.037 1.10@117.6,20.6
FPC_MIPI1_D3_P: 1.8 J2.17 | length 26.2
  Bottom2 w0.102: J2.17@112.624,33.048 114.156,33.048 114.656,32.548 115.166,32.548 115.196,32.548 115.378,32.366 cw(c115.297,32.285) 115.378,32.204 115.28,32.105 ccw(c115.361,32.025) 115.28,31.944 ccw(c115.361,32.025) 115.441,31.944 115.547,32.049 cw(c115.628,31.968) 115.709,32.049 cw(c115.628,31.968) 115.709,31.888 115.603,31.782 ccw(c115.684,31.701) 115.603,31.62 ccw(c115.684,31.701) 115.765,31.62 115.863,31.719 cw(c115.944,31.638) 116.025,31.719 cw(c115.944,31.638) 116.025,31.557 115.926,31.459 ccw(c116.007,31.378) 115.926,31.297 ccw(c116.007,31.378) 116.088,31.297 116.186,31.396 cw(c116.267,31.315) 116.348,31.396 cw(c116.267,31.315) 116.348,31.234 116.25,31.136 ccw(c116.33,31.055) 116.25,30.974 ccw(c116.33,31.055) 116.411,30.974 116.51,31.072 cw(c116.591,30.992) 116.671,31.072 cw(c116.591,30.992) 116.671,30.911 116.573,30.812 ccw(c116.654,30.731) 116.573,30.651 ccw(c116.654,30.731) 116.735,30.651 116.833,30.749 cw(c116.914,30.668) 116.995,30.749 117.125,30.619 117.127,30.617 117.198,30.545 117.198,30.082 cw(c117.084,30.082) 117.084,29.968 116.902,29.968 ccw(c116.902,29.65) 116.902,29.333 117.639,29.333 cw(c117.639,29.218) 117.639,29.104 116.902,29.104 ccw(c116.902,28.787) 116.902,28.469 117.084,28.469 cw(c117.084,28.355) 117.198,28.355 117.198,28.202 117.198,24.706 117.198,24.206 cw(c117.084,24.206) 117.084,24.092 116.906,24.092 ccw(c116.906,23.774) 116.906,23.457 117.694,23.457 cw(c117.694,23.343) 117.694,23.228 116.906,23.228 ccw(c116.906,22.911) 116.906,22.593 117.694,22.593 cw(c117.694,22.479) 117.694,22.365 116.906,22.365 ccw(c116.906,22.047) 116.906,21.73 117.084,21.73 cw(c117.084,21.615) 117.198,21.615 117.198,21.463 117.198,21.209 117.124,21.134 117.097,21.134 117,21.037 1.8@117,20.6
FPC_MIPI1_DC_N: 1.18 J2.22 | length 24.2
  Top1 w0.102: v1(113.908,35.548) 114.406,36.045 v1(114.986,36.045)
  Bottom2 w0.102: J2.22@112.624,35.548 v1(113.908,35.548) ; v1(114.986,36.045) 114.986,35.952 116.128,34.81 116.452,34.486 ccw(c116.532,34.567) 116.613,34.486 cw(c116.694,34.405) 116.775,34.486 cw(c116.694,34.405) 116.775,34.324 ccw(c116.856,34.244) 116.775,34.163 116.972,33.965 117.868,33.069 117.975,32.962 ; 117.976,32.962 ccw(c118.057,33.043) 118.138,32.962 ; 118.138,32.962 118.191,33.015 cw(c118.416,32.791) 118.64,33.016 ; 118.389,31.992 cw(c118.308,32.073) 118.227,31.992 cw(c118.308,32.073) 118.228,32.154 118.67,32.596 118.67,32.601 ccw(c118.416,32.791) 118.641,33.015 ; 118.39,31.993 118.801,32.404 cw(c119.027,32.18) 119.281,31.99 119.281,31.986 118.839,31.543 ccw(c118.919,31.462) 118.838,31.381 ccw(c118.919,31.462) 119,31.381 ; 119,31.382 119.053,31.434 cw(c119.278,31.211) 119.503,31.434 119.733,31.205 ; 119.733,31.204 119.802,31.136 119.802,31.057 119.802,30.743 119.802,30.308 cw(c119.484,30.308) 119.484,29.991 119.408,29.991 ccw(c119.408,29.877) 119.408,29.762 119.484,29.762 cw(c119.484,29.445) 119.802,29.445 119.802,29.292 119.802,21.209 119.876,21.134 119.903,21.134 120,21.037 1.18@120,20.6
FPC_MIPI1_DC_P: 1.16 J2.23 | length 26.2
  Bottom2 w0.102: J2.23@112.624,36.048 114.156,36.048 114.666,35.537 115.113,35.537 115.711,34.939 115.909,34.742 cw(c115.828,34.661) 115.909,34.58 115.801,34.472 ccw(c115.882,34.391) 115.801,34.31 ccw(c115.882,34.391) 115.963,34.31 116.07,34.418 cw(c116.151,34.337) 116.232,34.418 cw(c116.151,34.337) 116.232,34.257 116.124,34.149 ccw(c116.205,34.068) 116.124,33.987 ccw(c116.205,34.068) 116.286,33.987 116.394,34.095 cw(c116.474,34.014) 116.555,34.095 cw(c116.474,34.014) 116.555,33.933 116.447,33.826 ccw(c116.528,33.745) 116.447,33.664 ccw(c116.528,33.745) 116.609,33.664 116.717,33.772 cw(c116.798,33.691) 116.879,33.772 cw(c116.798,33.691) 116.879,33.61 116.771,33.502 ccw(c116.852,33.421) 116.771,33.341 ccw(c116.852,33.421) 116.932,33.341 117.04,33.448 cw(c117.121,33.368) 117.202,33.448 cw(c117.121,33.368) 117.202,33.287 117.094,33.179 ccw(c117.175,33.098) 117.094,33.017 ccw(c117.175,33.098) 117.256,33.017 117.363,33.125 cw(c117.444,33.044) 117.525,33.125 117.724,32.926 117.832,32.819 ccw(c118.057,33.043) 118.282,32.819 118.334,32.871 cw(c118.416,32.791) 118.497,32.872 cw(c118.416,32.791) 118.496,32.71 ; 118.496,32.71 118.084,32.298 ccw(c118.308,32.073) 118.083,31.849 ccw(c118.308,32.073) 118.084,31.848 ccw(c118.308,32.073) 118.085,31.847 ccw(c118.308,32.073) 118.498,31.818 118.503,31.818 118.945,32.261 cw(c119.027,32.18) 119.107,32.099 ; 119.107,32.099 118.695,31.687 ccw(c118.919,31.462) 118.693,31.239 ccw(c118.919,31.462) 118.694,31.237 ccw(c118.919,31.462) 118.695,31.236 ccw(c118.919,31.462) 119.109,31.208 119.114,31.208 119.197,31.291 cw(c119.278,31.211) 119.359,31.291 119.589,31.061 ; 1.16@119.4,20.6 119.4,21.037 119.497,21.134 119.524,21.134 119.598,21.209 119.598,29.292 119.598,29.445 ccw(c119.484,29.445) 119.484,29.559 119.408,29.559 cw(c119.408,29.877) 119.408,30.194 119.484,30.194 ccw(c119.484,30.308) 119.598,30.308 119.598,30.743 119.598,30.854 119.598,31.052 119.59,31.06
FPC_VCC_3V3: 1.2 1.29 1.30 J2.38 R18.2 | length 48
  Top1 w0.254: v1(112.878,21.057) v1(113.334,20.6) 114.605,19.329 v1(123.292,19.329) 123.292,16.4 v1(123.3,16.391)
  Bottom2 w0.254: R18.2@111.074,20.142 111.989,21.057 ; J2.38@112.624,43.548 111.112,43.548 110.439,42.875 110.439,25.298 111.989,23.749 111.989,21.057 ; 1.2@115.2,20.6 v1(113.334,20.6) v1(112.878,21.057) 111.989,21.057 ; v1(123.3,16.391) 1.29@123.3,17.7 123.292,17.708 v1(123.292,19.329) 123.6,19.638 1.30@123.6,20.6
FPC_VLED+: 1.32 1.33 J2.31 J2.32 | length 32
  Bottom2 w0.254: J2.31@112.624,40.048 115.502,40.048 ; J2.32@112.624,40.548 115.002,40.548 115.502,40.048 ; 1.33@124.5,17.7 124.5,18.705 124.2,19.005 1.32@124.2,20.6 124.2,31.35 115.502,40.048
FPC_VLED-: 1.34 1.35 J2.33 J2.34 | length 33
  Bottom2 w0.254: J2.33@112.624,41.048 115.34,41.048 ; J2.34@112.624,41.548 114.84,41.548 115.34,41.048 ; 1.35@125.1,17.7 125.1,19.172 124.8,19.472 1.34@124.8,20.6 124.8,31.588 115.34,41.048
GND: 1.1 1.7 1.11 1.15 1.19 1.23 1.27 1.31 1.36 1.GND1 1.GND2 C1.2 C2.2 C3.1 C4.2 C5.2 C6.1 C7.1 C8.1 C10.2 C11.2 C12.1 C13.1 C14.1 C15.1 E1.3 E1.8 E2.3 E2.8 HDMI?.2 HDMI?.5 HDMI?.8 HDMI?.11 HDMI?.SH1 HDMI?.SH2 HDMI?.SH3 HDMI?.SH4 J1.0 J1.4 J1.6 J1.11 J1.14 J1.17 J1.20 J1.23 J1.26 J1.29 J1.32 J1.35 J1.38 J2.0 J2.3 J2.6 J2.9 J2.12 J2.15 J2.18 J2.21 J2.24 J2.27 J2.30 J2.35 J2.37 P1.1 pad.@4,67 pad.@120.6,9.5 R2.1 R5.1 R6.1 R9.1 R11.2 R12.1 T4.0 U1.1 U1.4 U1.5 U1.12 U1.13 U1.15 U1.17 U1.21 U2.2 U*1.19 U*1.65 VT1.2 Y1.2 Y1.4
  other v1: 6.731,10.795 3.302,11.684 4.064,11.684 3.683,16.51 8.763,17.145 3.683,17.526 5.08,17.526 8.763,17.907 3.683,18.542 8.763,18.669 6.604,19.685 9.652,20.193 10.287,20.193 15.748,20.32 10.287,20.828 10.922,20.828 5.207,21.209 5.969,21.209 6.731,21.209 12.319,21.336 15.748,21.844 123.19,21.996 115.672,22.2 119.101,22.708 121.488,22.733 8.382,22.86 9.144,22.86 15.748,23.368 3.454,23.495 8.382,23.622 9.144,23.622 120.294,24.105 123.19,24.13 117.907,24.333 3.454,24.562 10.414,24.638 6.502,24.689 119.101,24.714 2.159,24.823 15.748,24.892 12.7,25.019 116.078,25.171 5.69,25.349 121.488,25.349 10.414,25.4 6.477,25.578 4.699,26.035 15.748,26.416 123.19,26.721 120.294,26.772 5.207,27.178 116.078,27.584 15.748,27.94 3.505,27.976 2.464,28.029 121.488,28.118 9.144,28.956 10.16,28.956 11.176,28.956 12.192,28.956 119.075,29.058 2.642,29.286 123.19,29.439 6.985,29.464 15.748,29.464 120.269,29.87 115.214,30.582 119.126,30.658 121.488,30.734 15.748,30.988 8.128,34.036 8.89,34.036 9.652,34.036 10.414,34.036 8.128,34.798 8.89,34.798 9.652,34.798 10.414,34.798 8.128,35.56 8.89,35.56 9.652,35.56 10.414,35.56 8.128,36.322 8.89,36.322 9.652,36.322 10.414,36.322 8.128,37.084 8.89,37.084 9.652,37.084 10.414,37.084 13.208,40.386 13.97,40.386 9.398,41.91 13.97,52.324 14.732,52.324 15.494,52.324 15.596,53.924 15.57,57.455